# Altium PCB adc_brd_raton_v0.PcbDoc (part 1 of 5)
Units mm, origin at the board's own origin, x right, y up, seen from the top; angles counter-clockwise.
Board outline 276.61 x 128.4 mm, 2 copper layers (Top Layer, Bottom Layer); 535 components, 265 nets, 1345 pads, 548 vias.
Unrouted connection lines stored in the file: 67.
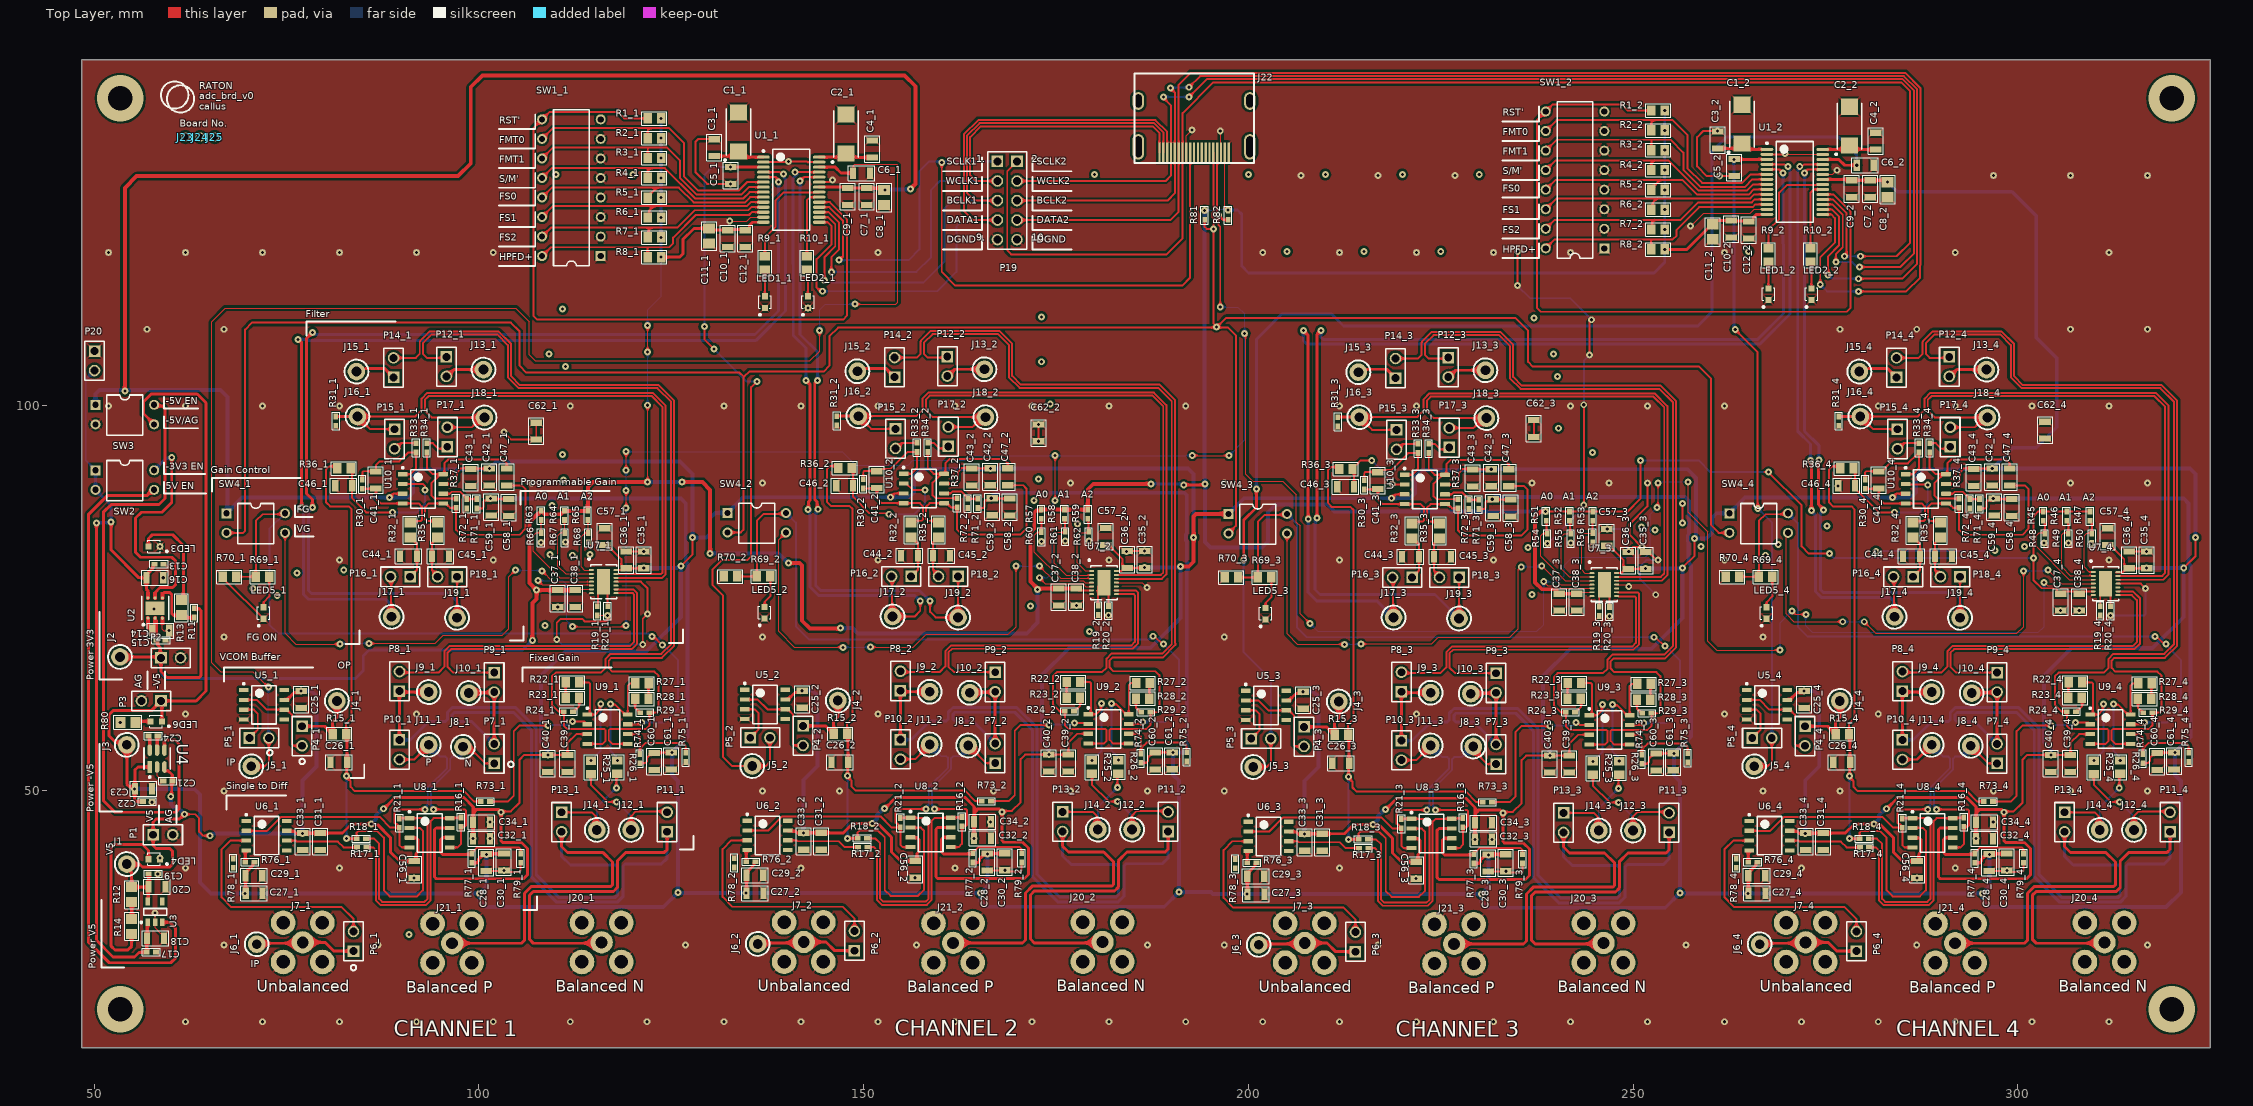
[diagram p0: Top Layer view]
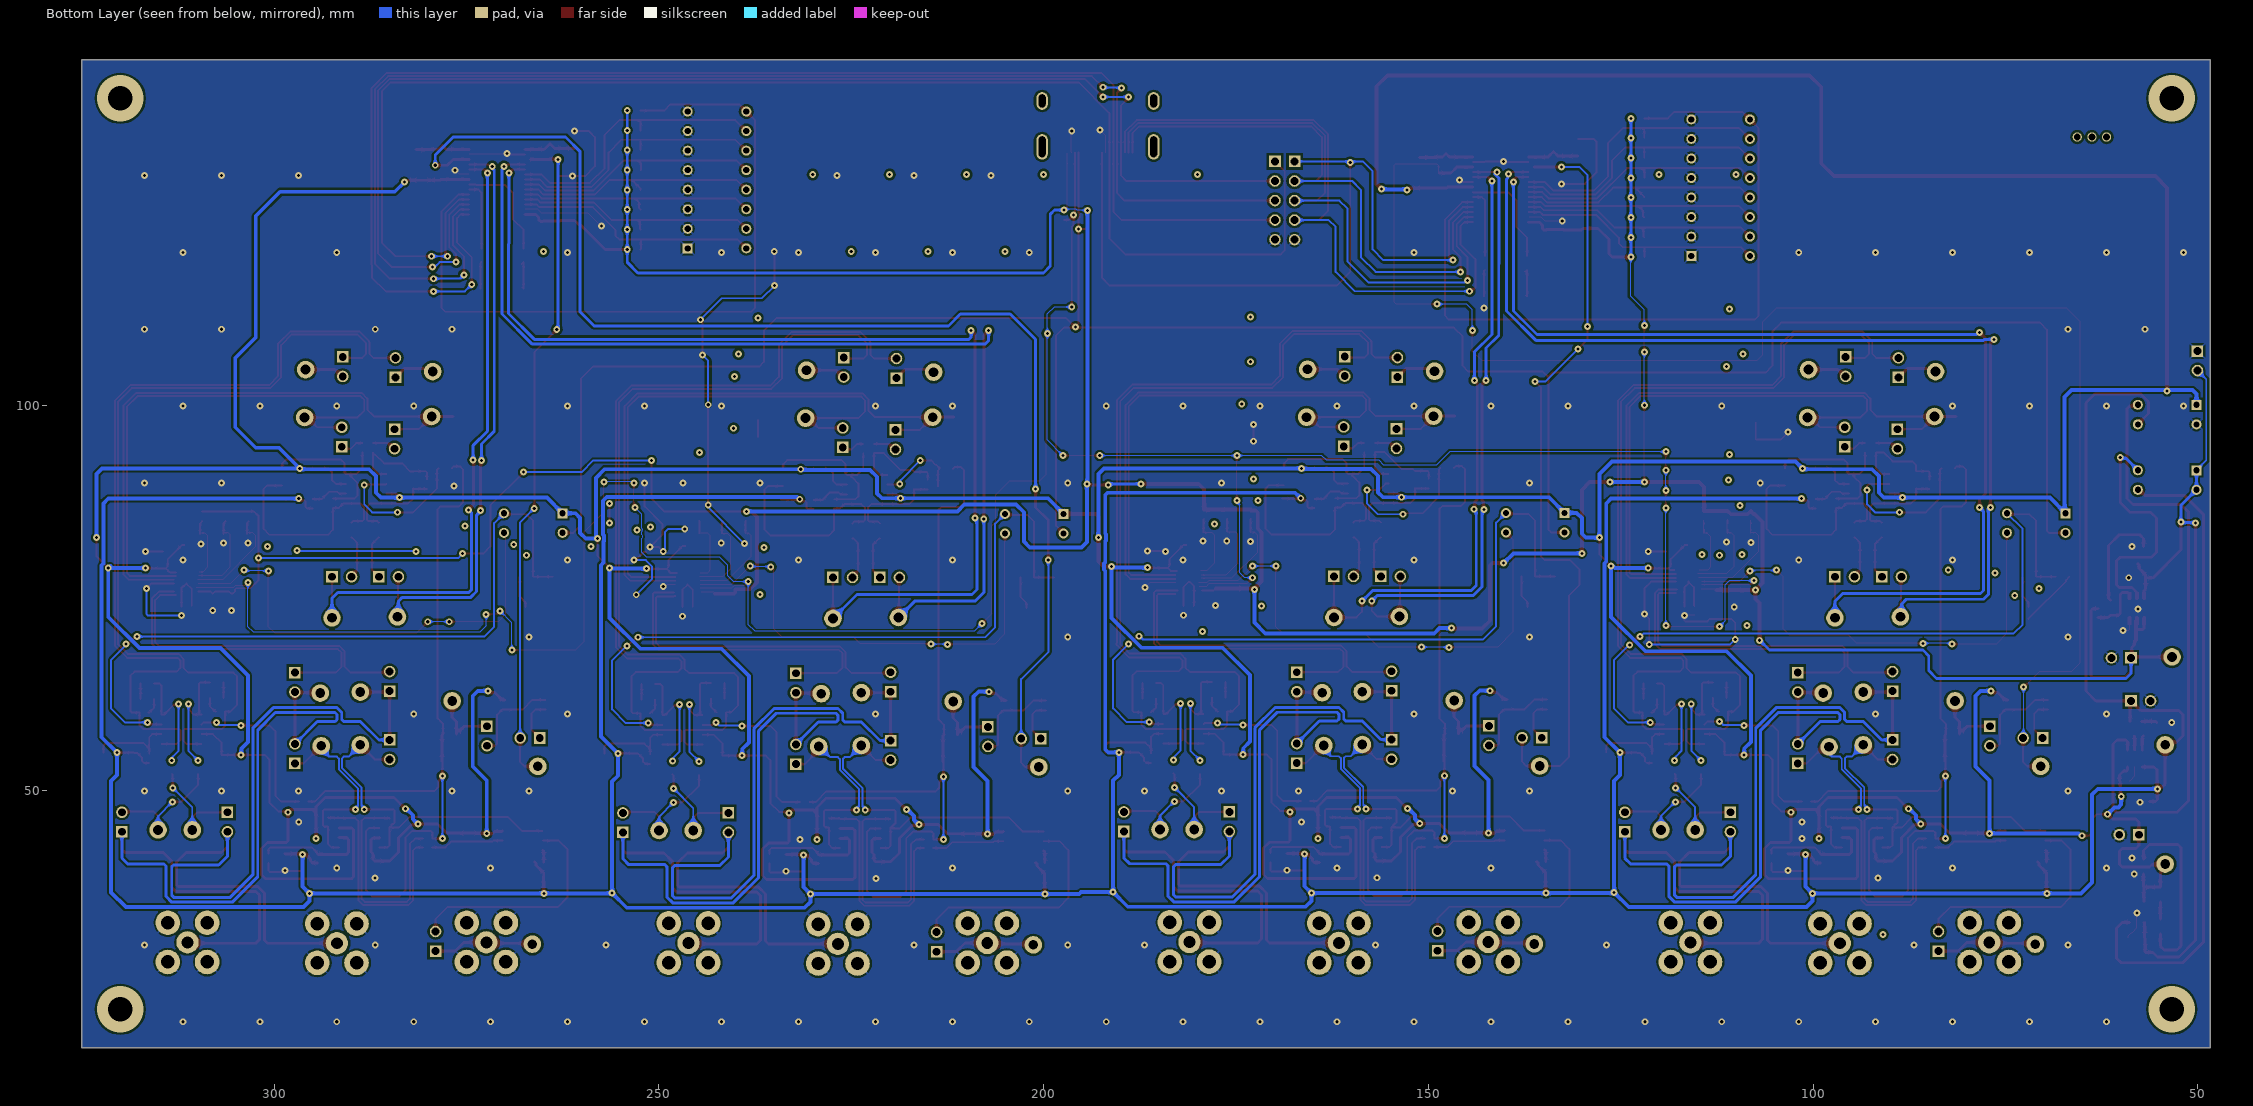
[diagram p1: Bottom Layer view, seen from below]

## Layer stack, top to bottom
Top Solder: solder mask 0.0102, Solder Resist, Dk 3.5
Top Layer: signal copper 0.0356
Dielectric 1: dielectric 0.32, FR-4, Dk 4.8
Bottom Layer: signal copper 0.0356
Bottom Solder: solder mask 0.0102, Solder Resist, Dk 3.5

## Board outline
48.387,16.51 48.387,144.907 324.993,144.907 324.993,16.51

## Design rules (kind name [scope] priority, off if disabled: settings)
Clearance [All] p1: gap=0.152 ignorepadtopadclearanceinfootprint=TRUE except(0: Arc-Hole Track-Hole SMDPad-Hole THPad-Hole Via-Hole Fill-Hole Poly-Hole Region-Hole Text-Hole; 0.3: Arc-Poly Track-Poly SMDPad-Poly THPad-Poly Via-Poly Fill-Poly Poly-Poly Poly-Region Poly-Text)
DiffPairsRouting [All] p1: maxlimit=0.254 minlimit=0.254 mostfreqgap=0.254 toplayer_minwidth=0.381 toplayer_maxwidth=0.381 toplayer_prefwidth=0.381 bottomlayer_minwidth=0.381 bottomlayer_maxwidth=0.381 bottomlayer_prefwidth=0.381 maxuncoupledlength=12.7
HoleSize [All] p1: absolutevalues=TRUE maxlimit=4 minlimit=0.3 maxpercent=80.000 minpercent=20.000
MinimumSolderMaskSliver [All] p1: minsoldermaskwidth=0
PlaneConnect [All] p1: pad.planeconnectstyle=Relief pad.reliefexpansion=0.508 pad.reliefentries=4 pad.reliefconductorwidth=0.254 pad.reliefairgap=0.254 via.planeconnectstyle=Direct via.reliefexpansion=0.508 via.reliefentries=4 via.reliefconductorwidth=0.254 via.reliefairgap=0.254
PolygonConnect [All] p1: thpad.connectstyle=Relief thpad.reliefconductorwidth=0.254 thpad.reliefentries=4 thpad.polygonreliefangle="45 Angle" thpad.airgapwidth=0.254 smdpad.connectstyle=Relief smdpad.reliefconductorwidth=0.254 smdpad.reliefentries=4 smdpad.polygonreliefangle="45 Angle" smdpad.airgapwidth=0.254 via.connectstyle=Direct via.reliefconductorwidth=0.254 via.reliefentries=4 via.polygonreliefangle="90 Angle" via.airgapwidth=0.254
RoutingVias [All] p1: holewidth=0.711 width=1.27 viastyle="Through Hole" minholewidth=0.711 minwidth=1.27 maxholewidth=3.175 maxwidth=5.08
SilkToSilkClearance [All] p1: silktosilkclearance=0
SilkToSolderMaskClearance [IsPad] p1: minsilkscreentomaskgap=0 clearancetoexposedcopper=TRUE
SolderMaskExpansion [All] p1: expansion=0.102 istentingtop=FALSE
Width [All] p1: maxlimit=0.508 minlimit=0.152 preferedwidth=0.152 minimp=50.000000 maximp=50.000000 favimp=50.000000
24 further rules are at their usual default settings.

## Classes and differential pairs
channel class "Analog Front End": "U_Analog Front End1" "U_Analog Front End2" "U_Analog Front End3" "U_Analog Front End4"
channel class ADC: U_ADC1 U_ADC2
component class U_Power: C13 C14 C15 C16 C17 C18 C19 C20 C21 C22 C23 C24 J1 J2 J3 LED3 LED4 LED6 P1 P2 P3 P20 R11 R12 R13 R14 R80 SW2 SW3 U2 U3 U4
component class "U_Analog Front End4": C25_4 C26_4 C27_4 C28_4 C29_4 C30_4 C31_4 C32_4 C33_4 C34_4 C35_4 C36_4 C37_4 C38_4 C39_4 C40_4 C41_4 C42_4 C43_4 C44_4 C45_4 C46_4 C47_4 C56_4 C57_4 C58_4 C59_4 C60_4 C61_4 C62_4 J4_4 J5_4 J6_4 J7_4 J8_4 J9_4 J10_4 J11_4 J12_4 J13_4 J14_4 J15_4 J16_4 J17_4 J18_4 J19_4 J20_4 J21_4 LED5_4 P4_4 P5_4 P6_4 P7_4 P8_4 P9_4 P10_4 P11_4 P12_4 P13_4 P14_4 P15_4 P16_4 P17_4 P18_4 R15_4 R16_4 R17_4 R18_4 R19_4 R20_4 R21_4 R22_4 R23_4 R24_4 R25_4 R26_4 R27_4 R28_4 R29_4 R30_4 R31_4 R32_4 R33_4 R34_4 R35_4 R36_4 R37_4 R69_4 R70_4 R71_4 R72_4 R73_4 R74_4 R75_4 R76_4 R77_4 R78_4 R79_4 SW4_4 U5_4 U6_4 U7_4 U8_4 U9_4 U10_4
component class "U_Analog Front End3": C25_3 C26_3 C27_3 C28_3 C29_3 C30_3 C31_3 C32_3 C33_3 C34_3 C35_3 C36_3 C37_3 C38_3 C39_3 C40_3 C41_3 C42_3 C43_3 C44_3 C45_3 C46_3 C47_3 C56_3 C57_3 C58_3 C59_3 C60_3 C61_3 C62_3 J4_3 J5_3 J6_3 J7_3 J8_3 J9_3 J10_3 J11_3 J12_3 J13_3 J14_3 J15_3 J16_3 J17_3 J18_3 J19_3 J20_3 J21_3 LED5_3 P4_3 P5_3 P6_3 P7_3 P8_3 P9_3 P10_3 P11_3 P12_3 P13_3 P14_3 P15_3 P16_3 P17_3 P18_3 R15_3 R16_3 R17_3 R18_3 R19_3 R20_3 R21_3 R22_3 R23_3 R24_3 R25_3 R26_3 R27_3 R28_3 R29_3 R30_3 R31_3 R32_3 R33_3 R34_3 R35_3 R36_3 R37_3 R69_3 R70_3 R71_3 R72_3 R73_3 R74_3 R75_3 R76_3 R77_3 R78_3 R79_3 SW4_3 U5_3 U6_3 U7_3 U8_3 U9_3 U10_3
component class "U_Analog Front End2": C25_2 C26_2 C27_2 C28_2 C29_2 C30_2 C31_2 C32_2 C33_2 C34_2 C35_2 C36_2 C37_2 C38_2 C39_2 C40_2 C41_2 C42_2 C43_2 C44_2 C45_2 C46_2 C47_2 C56_2 C57_2 C58_2 C59_2 C60_2 C61_2 C62_2 J4_2 J5_2 J6_2 J7_2 J8_2 J9_2 J10_2 J11_2 J12_2 J13_2 J14_2 J15_2 J16_2 J17_2 J18_2 J19_2 J20_2 J21_2 LED5_2 P4_2 P5_2 P6_2 P7_2 P8_2 P9_2 P10_2 P11_2 P12_2 P13_2 P14_2 P15_2 P16_2 P17_2 P18_2 R15_2 R16_2 R17_2 R18_2 R19_2 R20_2 R21_2 R22_2 R23_2 R24_2 R25_2 R26_2 R27_2 R28_2 R29_2 R30_2 R31_2 R32_2 R33_2 R34_2 R35_2 R36_2 R37_2 R69_2 R70_2 R71_2 R72_2 R73_2 R74_2 R75_2 R76_2 R77_2 R78_2 R79_2 SW4_2 U5_2 U6_2 U7_2 U8_2 U9_2 U10_2
component class "U_Analog Front End1": C25_1 C26_1 C27_1 C28_1 C29_1 C30_1 C31_1 C32_1 C33_1 C34_1 C35_1 C36_1 C37_1 C38_1 C39_1 C40_1 C41_1 C42_1 C43_1 C44_1 C45_1 C46_1 C47_1 C56_1 C57_1 C58_1 C59_1 C60_1 C61_1 C62_1 J4_1 J5_1 J6_1 J7_1 J8_1 J9_1 J10_1 J11_1 J12_1 J13_1 J14_1 J15_1 J16_1 J17_1 J18_1 J19_1 J20_1 J21_1 LED5_1 P4_1 P5_1 P6_1 P7_1 P8_1 P9_1 P10_1 P11_1 P12_1 P13_1 P14_1 P15_1 P16_1 P17_1 P18_1 R15_1 R16_1 R17_1 R18_1 R19_1 R20_1 R21_1 R22_1 R23_1 R24_1 R25_1 R26_1 R27_1 R28_1 R29_1 R30_1 R31_1 R32_1 R33_1 R34_1 R35_1 R36_1 R37_1 R69_1 R70_1 R71_1 R72_1 R73_1 R74_1 R75_1 R76_1 R77_1 R78_1 R79_1 SW4_1 U5_1 U6_1 U7_1 U8_1 U9_1 U10_1
component class U_ADC2: C1_2 C2_2 C3_2 C4_2 C5_2 C6_2 C7_2 C8_2 C9_2 C10_2 C11_2 C12_2 LED1_2 LED2_2 R1_2 R2_2 R3_2 R4_2 R5_2 R6_2 R7_2 R8_2 R9_2 R10_2 SW1_2 U1_2
component class U_ADC1: C1_1 C2_1 C3_1 C4_1 C5_1 C6_1 C7_1 C8_1 C9_1 C10_1 C11_1 C12_1 LED1_1 LED2_1 R1_1 R2_1 R3_1 R4_1 R5_1 R6_1 R7_1 R8_1 R9_1 R10_1 SW1_1 U1_1
component class "ADC Board TOP": J22 J23 J24 J25 P19 R45 R46 R47 R48 R49 R50 R51 R52 R53 R54 R55 R56 R57 R58 R59 R60 R61 R62 R63 R64 R65 R66 R67 R68 R81 R82
differential pair CH_4: +CH_4_P -CH_4_N
differential pair CH_3: +CH_3_P -CH_3_N
differential pair CH_2: +CH_2_P -CH_2_N
differential pair CH_1: +CH_1_P -CH_1_N
differential pair CH_OUT_N_4: +CH_OUT_N_4_P -CH_OUT_N_4_N
differential pair CH_OUT_N_3: +CH_OUT_N_3_P -CH_OUT_N_3_N
differential pair CH_OUT_N_2: +CH_OUT_N_2_P -CH_OUT_N_2_N
differential pair CH_OUT_N_1: +CH_OUT_N_1_P -CH_OUT_N_1_N
differential pair CH_G_OUT_N_4: +CH_G_OUT_N_4_P -CH_G_OUT_N_4_N
differential pair CH_G_OUT_N_3: +CH_G_OUT_N_3_P -CH_G_OUT_N_3_N
differential pair CH_G_OUT_N_2: +CH_G_OUT_N_2_P -CH_G_OUT_N_2_N
differential pair CH_G_OUT_N_1: +CH_G_OUT_N_1_P -CH_G_OUT_N_1_N
differential pair CH_G_OUT_4: +CH_G_OUT_4_P -CH_G_OUT_4_N
differential pair CH_G_OUT_3: +CH_G_OUT_3_P -CH_G_OUT_3_N
differential pair CH_G_OUT_2: +CH_G_OUT_2_P -CH_G_OUT_2_N
differential pair CH_G_OUT_1: +CH_G_OUT_1_P -CH_G_OUT_1_N

## Components (designator, comment, footprint, x,y, rotation, side; value= is the part's Value field where it differs from the comment)
C1_1 "CAP 33uF TANT C" CAPMP6032X26N 133.731,135.521 r90 top value=33uF (schematic designator C1)
C1_2 "CAP 33uF TANT C" CAPMP6032X26N 264.16,136.537 r90 top value=33uF (schematic designator C1)
C2_1 "CAP 33uF TANT C" CAPMP6032X26N 147.701,135.267 r90 top value=33uF (schematic designator C2)
C2_2 "CAP 33uF TANT C" CAPMP6032X26N 278.13,136.283 r90 top value=33uF (schematic designator C2)
C3_1 "CAP 0.1uF CER 0805 50V  X7R 5%" 0805-M#1 130.556,133.489 r90 top value=100nF (schematic designator C3)
C3_2 "CAP 0.1uF CER 0805 50V  X7R 5%" 0805-M#1 260.985,134.505 r90 top value=100nF (schematic designator C3)
C4_1 "CAP 0.1uF CER 0805 50V  X7R 5%" 0805-M#1 151.13,133.319 r90 top value=100nF (schematic designator C4)
C4_2 "CAP 0.1uF CER 0805 50V  X7R 5%" 0805-M#1 281.559,134.335 r90 top value=100nF (schematic designator C4)
C5_1 "CAP 0.1uF CER 0805 50V  X7R 5%" 0805-M#1 132.715,129.89 r270 top value=100nF (schematic designator C5)
C5_2 "CAP 0.1uF CER 0805 50V  X7R 5%" 0805-M#1 263.144,130.906 r270 top value=100nF (schematic designator C5)
C6_1 "CAP 0.1uF CER 0805 50V  X7R 5%" 0805-M#1 149.733,130.187 r0 top value=100nF (schematic designator C6)
C6_2 "CAP 0.1uF CER 0805 50V  X7R 5%" 0805-M#1 280.162,131.203 r0 top value=100nF (schematic designator C6)
C7_1 "CAP 0.1uF CER 0805 50V  X7R 5%" 0805-M#1 150.368,127.139 r270 top value=100nF (schematic designator C7)
C7_2 "CAP 0.1uF CER 0805 50V  X7R 5%" 0805-M#1 280.797,128.155 r270 top value=100nF (schematic designator C7)
C8_1 "CAP 1uF CER 0805 50V X7R 10%" 0805-L#1 152.654,127.012 r270 top value=1µF (schematic designator C8)
C8_2 "CAP 1uF CER 0805 50V X7R 10%" 0805-L#1 283.083,128.028 r270 top value=1µF (schematic designator C8)
C9_1 "CAP 10nF CER 0805 50V X7R 10%" 0805-M#1 147.955,127.139 r270 top value=10nF (schematic designator C9)
C9_2 "CAP 10nF CER 0805 50V X7R 10%" 0805-M#1 278.384,128.155 r270 top value=10nF (schematic designator C9)
C10_1 "CAP 0.1uF CER 0805 50V  X7R 5%" 0805-M#1 132.334,121.666 r270 top value=100nF (schematic designator C10)
C10_2 "CAP 0.1uF CER 0805 50V  X7R 5%" 0805-M#1 262.763,122.936 r270 top value=100nF (schematic designator C10)
C11_1 "CAP 1uF CER 0805 50V X7R 10%" 0805-L#1 129.921,122.018 r270 top value=1µF (schematic designator C11)
C11_2 "CAP 1uF CER 0805 50V X7R 10%" 0805-L#1 260.35,122.555 r270 top value=1µF (schematic designator C11)
C12_1 "CAP 10nF CER 0805 50V X7R 10%" 0805-M#1 134.62,121.666 r270 top value=10nF (schematic designator C12)
C12_2 "CAP 10nF CER 0805 50V X7R 10%" 0805-M#1 265.049,122.809 r270 top value=10nF (schematic designator C12)
C13 "CAP 10uF CER 0402 6.3V X5R 20%" 0402-M#1 58.42,79.375 r0 top value=10µF
C14 "CAP 0.1uF CER 0805 50V X7R 10%" 0805-M#1 58.639,70.739 r0 top value=100nF
C15 "CAP 10uF CER 0402 6.3V X5R 20%" 0402-M#1 58.674,69.469 r0 top value=10µF
C16 "CAP 0.1uF CER 0805 50V X7R 10%" 0805-M#1 57.869,77.597 r0 top value=100nF
C17 "CAP 2.2uF CER 0402 25V X5R 10%" 0402-M#1 57.404,28.956 r0 top value=2.2µF
C18 "CAP 0.1uF CER 0805 50V X7R 10%" 0805-M#1 57.955,30.734 r0 top value=100nF
C19 "CAP 2.2uF CER 0402 25V X5R 10%" 0402-M#1 57.658,39.116 r0 top value=2.2µF
C20 "CAP 0.1uF CER 0805 50V X7R 10%" 0805-M#1 58.166,37.465 r0 top value=100nF
C21 "CAP 2.2uF CER 0402 25V X5R 10%" 0402-M#1 59.563,51.181 r180 top value=2.2µF
C22 "CAP 2.2uF CER 0402 25V X5R 10%" 0402-M#1 56.896,48.514 r0 top value=2.2µF
C23 "CAP 0.1uF CER 0805 50V X7R 10%" 0805-M#1 56.388,50.165 r0 top value=100nF
C24 "CAP 1uF CER 0402 25V X5R 20%" 0402-M#1 57.658,57.023 r180 top value=1µF
C25_1 "CAP 0.1uF CER 0805 50V  X7R 5%" 0805-M#1 76.886,61.765 r270 top value=100nF (schematic designator C25)
C25_2 "CAP 0.1uF CER 0805 50V  X7R 5%" 0805-M#1 141.995,61.808 r270 top value=100nF (schematic designator C25)
C25_3 "CAP 0.1uF CER 0805 50V  X7R 5%" 0805-M#1 207.103,61.681 r270 top value=100nF (schematic designator C25)
C25_4 "CAP 0.1uF CER 0805 50V  X7R 5%" 0805-M#1 272.212,61.765 r270 top value=100nF (schematic designator C25)
C26_1 "CAP 0.1uF CER 0805 50V  X7R 5%" 0805-M#1 81.788,53.594 r180 top value=100nF (schematic designator C26)
C26_2 "CAP 0.1uF CER 0805 50V  X7R 5%" 0805-M#1 146.897,53.637 r180 top value=100nF (schematic designator C26)
C26_3 "CAP 0.1uF CER 0805 50V  X7R 5%" 0805-M#1 212.005,53.51 r180 top value=100nF (schematic designator C26)
C26_4 "CAP 0.1uF CER 0805 50V  X7R 5%" 0805-M#1 277.114,53.594 r180 top value=100nF (schematic designator C26)
C27_1 "CAP 0.1uF CER 0805 50V  X7R 5%" 0805-M#1 70.782,36.576 r0 top value=100nF (schematic designator C27)
C27_2 "CAP 0.1uF CER 0805 50V  X7R 5%" 0805-M#1 135.891,36.619 r0 top value=100nF (schematic designator C27)
C27_3 "CAP 0.1uF CER 0805 50V  X7R 5%" 0805-M#1 200.999,36.492 r0 top value=100nF (schematic designator C27)
C27_4 "CAP 0.1uF CER 0805 50V  X7R 5%" 0805-M#1 266.108,36.576 r0 top value=100nF (schematic designator C27)
C28_1 "CAP 0.1uF CER 0805 50V  X7R 5%" 0805-M#1 100.965,40.597 r270 top value=100nF (schematic designator C28)
C28_2 "CAP 0.1uF CER 0805 50V  X7R 5%" 0805-M#1 166.074,40.64 r270 top value=100nF (schematic designator C28)
C28_3 "CAP 0.1uF CER 0805 50V  X7R 5%" 0805-M#1 231.182,40.513 r270 top value=100nF (schematic designator C28)
C28_4 "CAP 0.1uF CER 0805 50V  X7R 5%" 0805-M#1 296.291,40.597 r270 top value=100nF (schematic designator C28)
C29_1 "CAP 10uF CER 0805 25V X5R 10%" 0805-M#1 70.739,38.862 r0 top value=10µF (schematic designator C29)
C29_2 "CAP 10uF CER 0805 25V X5R 10%" 0805-M#1 135.848,38.905 r0 top value=10µF (schematic designator C29)
C29_3 "CAP 10uF CER 0805 25V X5R 10%" 0805-M#1 200.956,38.778 r0 top value=10µF (schematic designator C29)
C29_4 "CAP 10uF CER 0805 25V X5R 10%" 0805-M#1 266.065,38.862 r0 top value=10µF (schematic designator C29)
C30_1 "CAP 10uF CER 0805 25V X5R 10%" 0805-M#1 103.251,40.64 r270 top value=10µF (schematic designator C30)
C30_2 "CAP 10uF CER 0805 25V X5R 10%" 0805-M#1 168.36,40.683 r270 top value=10µF (schematic designator C30)
C30_3 "CAP 10uF CER 0805 25V X5R 10%" 0805-M#1 233.468,40.556 r270 top value=10µF (schematic designator C30)
C30_4 "CAP 10uF CER 0805 25V X5R 10%" 0805-M#1 298.577,40.64 r270 top value=10µF (schematic designator C30)
C31_1 "CAP 0.1uF CER 0805 50V  X7R 5%" 0805-M#1 79.375,43.307 r270 top value=100nF (schematic designator C31)
C31_2 "CAP 0.1uF CER 0805 50V  X7R 5%" 0805-M#1 144.484,43.35 r270 top value=100nF (schematic designator C31)
C31_3 "CAP 0.1uF CER 0805 50V  X7R 5%" 0805-M#1 209.592,43.223 r270 top value=100nF (schematic designator C31)
C31_4 "CAP 0.1uF CER 0805 50V  X7R 5%" 0805-M#1 274.701,43.307 r270 top value=100nF (schematic designator C31)
C32_1 "CAP 0.1uF CER 0805 50V  X7R 5%" 0805-M#1 100.33,43.688 r0 top value=100nF (schematic designator C32)
C32_2 "CAP 0.1uF CER 0805 50V  X7R 5%" 0805-M#1 165.439,43.731 r0 top value=100nF (schematic designator C32)
C32_3 "CAP 0.1uF CER 0805 50V  X7R 5%" 0805-M#1 230.547,43.604 r0 top value=100nF (schematic designator C32)
C32_4 "CAP 0.1uF CER 0805 50V  X7R 5%" 0805-M#1 295.656,43.688 r0 top value=100nF (schematic designator C32)
C33_1 "CAP 10uF CER 0805 25V X5R 10%" 0805-M#1 77.089,43.307 r270 top value=10µF (schematic designator C33)
C33_2 "CAP 10uF CER 0805 25V X5R 10%" 0805-M#1 142.198,43.35 r270 top value=10µF (schematic designator C33)
C33_3 "CAP 10uF CER 0805 25V X5R 10%" 0805-M#1 207.306,43.223 r270 top value=10µF (schematic designator C33)
C33_4 "CAP 10uF CER 0805 25V X5R 10%" 0805-M#1 272.415,43.307 r270 top value=10µF (schematic designator C33)
C34_1 "CAP 10uF CER 0805 25V X5R 10%" 0805-M#1 100.33,45.847 r0 top value=10µF (schematic designator C34)
C34_2 "CAP 10uF CER 0805 25V X5R 10%" 0805-M#1 165.439,45.89 r0 top value=10µF (schematic designator C34)
C34_3 "CAP 10uF CER 0805 25V X5R 10%" 0805-M#1 230.547,45.763 r0 top value=10µF (schematic designator C34)
C34_4 "CAP 10uF CER 0805 25V X5R 10%" 0805-M#1 295.656,45.847 r0 top value=10µF (schematic designator C34)
C35_1 "CAP 10uF CER 0805 25V X5R 10%" 0805-M#1 121.412,79.926 r90 top value=10µF (schematic designator C35)
C35_2 "CAP 10uF CER 0805 25V X5R 10%" 0805-M#1 186.521,79.969 r90 top value=10µF (schematic designator C35)
C35_3 "CAP 10uF CER 0805 25V X5R 10%" 0805-M#1 251.629,79.842 r90 top value=10µF (schematic designator C35)
C35_4 "CAP 10uF CER 0805 25V X5R 10%" 0805-M#1 316.738,79.926 r90 top value=10µF (schematic designator C35)
C36_1 "CAP 0.1uF CER 0805 50V  X7R 5%" 0805-M#1 119.126,79.926 r90 top value=100nF (schematic designator C36)
C36_2 "CAP 0.1uF CER 0805 50V  X7R 5%" 0805-M#1 184.235,79.969 r90 top value=100nF (schematic designator C36)
C36_3 "CAP 0.1uF CER 0805 50V  X7R 5%" 0805-M#1 249.343,79.842 r90 top value=100nF (schematic designator C36)
C36_4 "CAP 0.1uF CER 0805 50V  X7R 5%" 0805-M#1 314.452,79.926 r90 top value=100nF (schematic designator C36)
C37_1 "CAP 10uF CER 0805 25V X5R 10%" 0805-M#1 110.236,74.887 r270 top value=10µF (schematic designator C37)
C37_2 "CAP 10uF CER 0805 25V X5R 10%" 0805-M#1 175.345,75.1 r270 top value=10µF (schematic designator C37)
C37_3 "CAP 10uF CER 0805 25V X5R 10%" 0805-M#1 240.411,74.422 r270 top value=10µF (schematic designator C37)
C37_4 "CAP 10uF CER 0805 25V X5R 10%" 0805-M#1 305.562,74.422 r270 top value=10µF (schematic designator C37)
C38_1 "CAP 0.1uF CER 0805 50V  X7R 5%" 0805-M#1 112.522,74.887 r270 top value=100nF (schematic designator C38)
C38_2 "CAP 0.1uF CER 0805 50V  X7R 5%" 0805-M#1 177.631,75.1 r270 top value=100nF (schematic designator C38)
C38_3 "CAP 0.1uF CER 0805 50V  X7R 5%" 0805-M#1 242.697,74.422 r270 top value=100nF (schematic designator C38)
C38_4 "CAP 0.1uF CER 0805 50V  X7R 5%" 0805-M#1 307.975,74.422 r270 top value=100nF (schematic designator C38)
C39_1 "CAP 0.1uF CER 0805 50V  X7R 5%" 0805-M#1 111.506,53.467 r270 top value=100nF (schematic designator C39)
C39_2 "CAP 0.1uF CER 0805 50V  X7R 5%" 0805-M#1 176.615,53.51 r270 top value=100nF (schematic designator C39)
C39_3 "CAP 0.1uF CER 0805 50V  X7R 5%" 0805-M#1 241.723,53.383 r270 top value=100nF (schematic designator C39)
C39_4 "CAP 0.1uF CER 0805 50V  X7R 5%" 0805-M#1 306.832,53.467 r270 top value=100nF (schematic designator C39)
C40_1 "CAP 10uF CER 0805 25V X5R 10%" 0805-M#1 108.966,53.467 r270 top value=10µF (schematic designator C40)
C40_2 "CAP 10uF CER 0805 25V X5R 10%" 0805-M#1 174.075,53.51 r270 top value=10µF (schematic designator C40)
C40_3 "CAP 10uF CER 0805 25V X5R 10%" 0805-M#1 239.183,53.383 r270 top value=10µF (schematic designator C40)
C40_4 "CAP 10uF CER 0805 25V X5R 10%" 0805-M#1 304.292,53.467 r270 top value=10µF (schematic designator C40)
C41_1 "CAP 1nF CER 0805 25V X7R 5%" 0805-M#1 86.614,90.297 r270 top value=1nF (schematic designator C41)
C41_2 "CAP 1nF CER 0805 25V X7R 5%" 0805-M#1 151.723,90.34 r270 top value=1nF (schematic designator C41)
C41_3 "CAP 1nF CER 0805 25V X7R 5%" 0805-M#1 216.831,90.213 r270 top value=1nF (schematic designator C41)
C41_4 "CAP 1nF CER 0805 25V X7R 5%" 0805-M#1 281.94,90.297 r270 top value=1nF (schematic designator C41)
C42_1 "CAP 10uF CER 0805 25V X5R 10%" 0805-M#1 101.346,90.678 r270 top value=10µF (schematic designator C42)
C42_2 "CAP 10uF CER 0805 25V X5R 10%" 0805-M#1 166.455,90.721 r270 top value=10µF (schematic designator C42)
C42_3 "CAP 10uF CER 0805 25V X5R 10%" 0805-M#1 231.563,90.594 r270 top value=10µF (schematic designator C42)
C42_4 "CAP 10uF CER 0805 25V X5R 10%" 0805-M#1 296.672,90.678 r270 top value=10µF (schematic designator C42)
C43_1 "CAP 0.1uF CER 0805 50V  X7R 5%" 0805-M#1 98.933,90.635 r270 top value=100nF (schematic designator C43)
C43_2 "CAP 0.1uF CER 0805 50V  X7R 5%" 0805-M#1 164.042,90.678 r270 top value=100nF (schematic designator C43)
C43_3 "CAP 0.1uF CER 0805 50V  X7R 5%" 0805-M#1 229.15,90.551 r270 top value=100nF (schematic designator C43)
C43_4 "CAP 0.1uF CER 0805 50V  X7R 5%" 0805-M#1 294.259,90.635 r270 top value=100nF (schematic designator C43)
C44_1 "CAP 0.1uF CER 0805 50V  X7R 5%" 0805-M#1 90.848,80.391 r180 top value=100nF (schematic designator C44)
C44_2 "CAP 0.1uF CER 0805 50V  X7R 5%" 0805-M#1 155.957,80.434 r180 top value=100nF (schematic designator C44)
C44_3 "CAP 0.1uF CER 0805 50V  X7R 5%" 0805-M#1 221.065,80.307 r180 top value=100nF (schematic designator C44)